# Altium PCB Thunderscope_Rev5.PCBDOC (part 3 of 7) (continued)
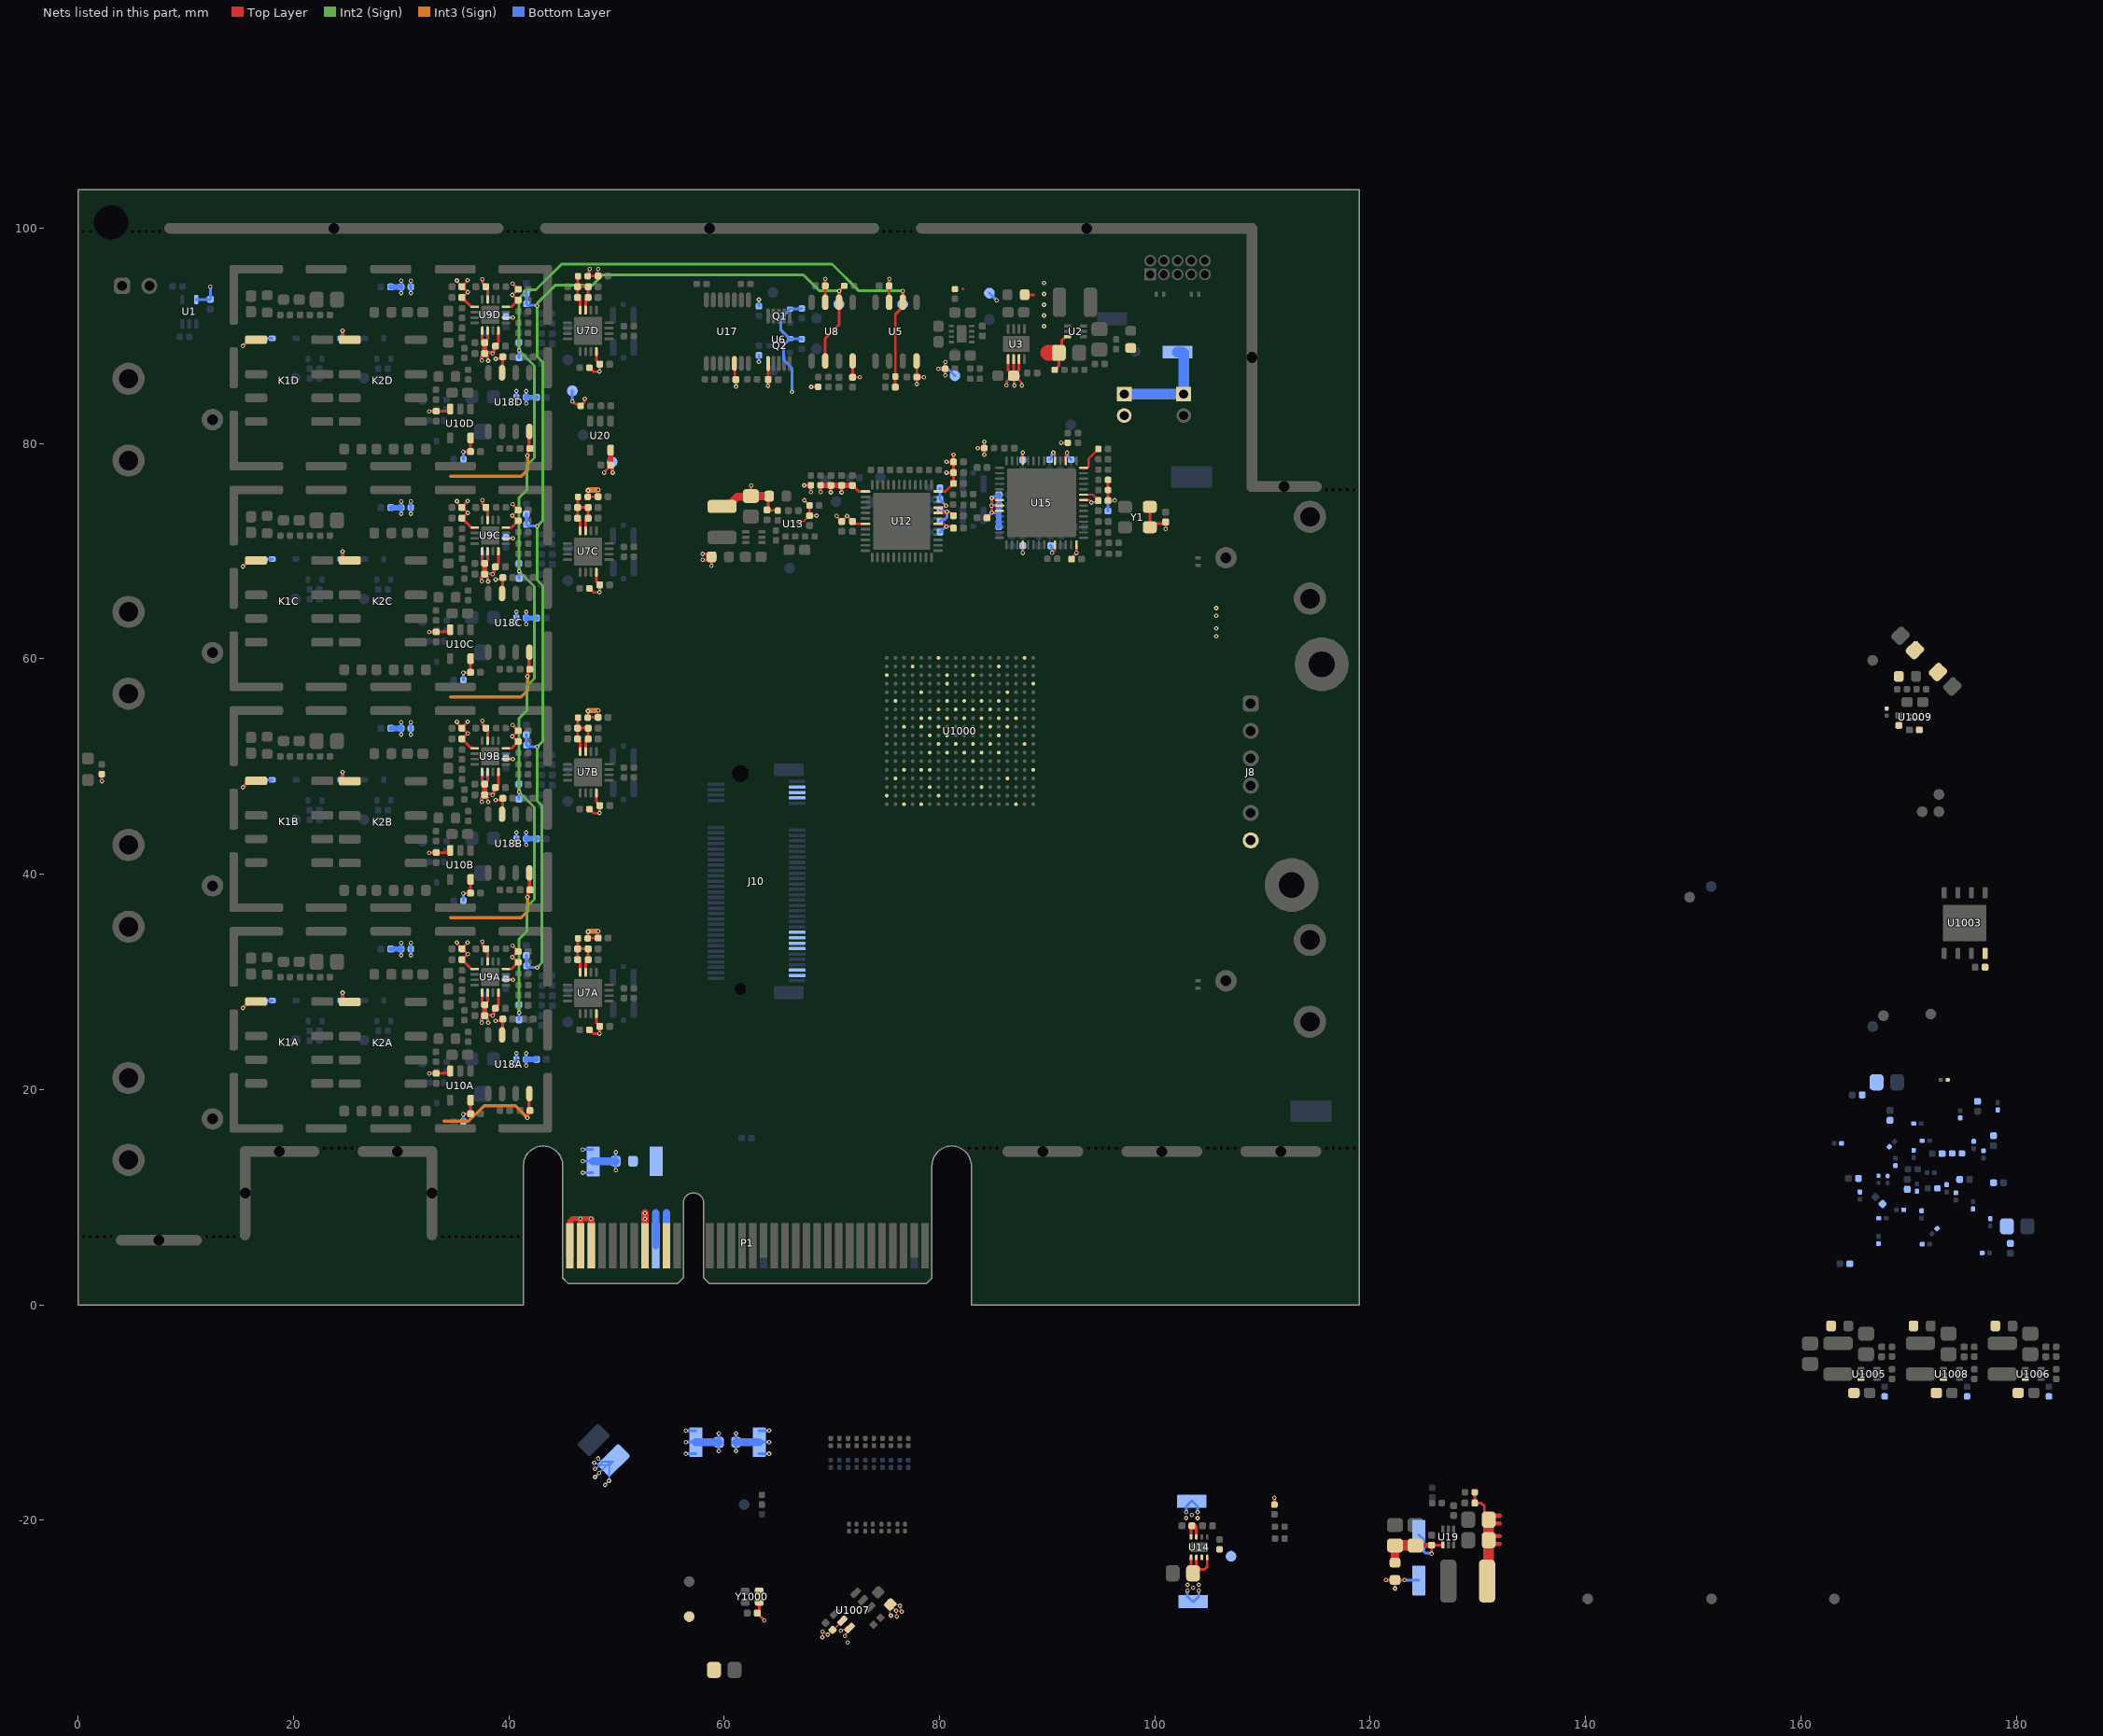
[diagram p7: the nets of this part, all layers, seen from the top]
## Nets (pads, with @x,y where several pads share a name; then routed paths per layer and width w, separated by ;. In a path a pad name is that pad's centre, name@x,y a point inside that pad or via, vN(x,y) a via of type N, cw(c..) or ccw(c..) an arc to the next point about the centre after c; other vN are vias at no path point) (continued)
  Bottom Layer w0.254: U1.5@10.975,93.375 10.992,93.392 12.257,93.392 C1.1@12.275,93.41 v1(12.275,94.575) ; v1(15.3,27.575) 16,28.275 D2A.1@18.025,28.275 ; v1(15.3,48.075) 16,48.775 D2B.1@18.025,48.775 ; v1(15.3,68.575) 16,69.275 D2C.1@18.025,69.275 ; v1(15.3,89.075) 16,89.775 D2D.1@18.025,89.775 ; 16.225,28.275 D2A.1@17.95,28.275 ; 16.225,48.775 D2B.1@17.95,48.775 ; D2A.1@17.827,28.152 D2A.1@17.95,28.275 ; D2B.1@17.827,48.652 D2B.1@17.95,48.775 ; D2C.1@17.827,69.152 17.95,69.275 D2C.1@18.025,69.275 ; D2A.1@18.07,28.275 D2A.1@18.025,28.275 ; D2B.1@18.07,48.775 D2B.1@18.025,48.775 ; D2C.1@18.07,69.275 D2C.1@18.025,69.275 ; D3A.1@24.4,28.275 24.427,28.275 24.55,28.398 v1(24.55,29) ; D3B.1@24.445,48.775 D3B.1@24.521,48.851 ; D3C.1@24.445,69.275 D3C.1@24.521,69.351 ; D3B.1@24.55,48.898 v1(24.55,49.5) ; D3C.1@24.55,69.398 v1(24.55,70) ; D3D.1@24.55,89.898 v1(24.55,90.5) ; v1(58.825,68.645) TP28.1@58.825,69.475 ; v1(66.3,84.8) 66.3,87 65.5,87.8 65.5,89.125 65.952,89.577 65.952,89.642 Q2.2@66.06,89.75 ; R20.2@67.2,92.55 67.175,92.525 66.15,92.525 Q1.2@66.125,92.5 66.06,92.5 65.952,92.392 65.952,92.327 65.275,91.65 65.275,90.535 Q2.2@66.06,89.75 ; R21.2@67.225,89.725 R21.2@67.2,89.7 67.175,89.725 66.15,89.725 Q2.2@66.125,89.75 Q2.2@66.06,89.75 ; v1(67.435,74.74) R44.2@67.925,74.25 ; C58.2@80.035,75.875 C57.2@80.035,74.825 80.035,74.818 80.607,74.246 v1(80.607,74.24) ; R111.1@95.625,73.725 R93.1@95.625,74.675 95.652,74.702 96.249,74.702 v1(96.276,74.729) ; v1(102.91,-19.27) 102.91,-18.723 103.383,-18.25 TP47.1@103.425,-18.25 103.49,-18.25 103.963,-18.723 v1(103.963,-19.27) ; D2A.1@17.95,28.275 D2A.1@18.025,28.275 ; D2B.1@17.95,48.775 D2B.1@18.025,48.775
  other v1: 102.912,-19.803 103.958,-19.803 103.435,-19.525 68.575,73.3
+3V3_IN: C91.2 C1072.2 C1076.2 C1078.2 C1082.2 C1085.2 R87.2 R95.2 R1047.2 R1052.2 R1057.2 TP32.1 TP41.1 TP46.1 TP1011.1 U14.1 U14.2 U14.4 U1005.3 U1006.3 U1007.5 U1007.6 U1008.3 U1009.C2 | length 26.1
  Top Layer w0.127: v1(69.112,-30.884) 69.118,-30.877 69.118,-30.406 69.124,-30.4 v1(69.124,-30.346) ; v1@69.151,-30.373 69.178,-30.4 69.306,-30.4 69.539,-30.633 v1(69.615,-30.633) C1076.2@70.067,-30.183 C1076.2@70.067,-30.183 ; C1076.2@70.094,-30.213 U1007.5@71.166,-29.14 ; v1(70.837,-30.259) 70.913,-30.259 70.984,-30.187 71.463,-30.187 U1007.6@71.651,-29.999 71.651,-30.226 71.219,-30.658 v1(71.219,-30.733)
  Top Layer w0.254: U14.1@103.35,-23.45 103.352,-23.452 103.352,-24.727 C91.2@103.55,-24.925 C91.2@103.848,-24.627 ; U14.2@103.85,-23.45 103.848,-23.452 C91.2@103.848,-24.627 ; U14.4@104.85,-23.45 104.85,-24.325 104.609,-24.566 103.909,-24.566 C91.2@103.848,-24.627
  Bottom Layer w0.254: v1(46.87,12.275) TP41.1@47.8,12.275 ; v1(46.87,13.35) TP41.1@47.8,13.35 ; v1(46.87,14.425) TP41.1@47.8,14.425 ; v1(49.925,12.52) R87.2@49.925,13.35 v1(49.925,14.18) ; v1(61.1,-13.58) R95.2@61.1,-12.75 v1(61.1,-11.92) ; TP46.1@63.225,-13.825 v1(64.18,-13.825) ; TP46.1@63.225,-12.75 v1(64.18,-12.75) ; TP46.1@63.225,-11.675 v1(64.18,-11.675) ; v1(103.022,-26.53) 103.022,-27.077 103.495,-27.55 TP32.1@103.55,-27.55 103.602,-27.55 104.075,-27.077 v1(104.075,-26.53)
  Bottom Layer w0.75: TP41.1@47.8,13.35 R87.2@49.925,13.35 ; R95.2@61.1,-12.75 63.225,-12.75 TP46.1@63.25,-12.75
  other v1: 103.55,-26.275 103.027,-25.997 104.073,-25.997
+3V3_IO: C1000.1 C1029.2 C1030.2 C1031.2 C1032.2 C1033.2 C1034.2 C1035.2 R1051.2 U1000.L6 U1000.M3 U1000.P7 U1000.R4 U1000.T1 U1000.V5 Y1000.1 Y1000.4 | length 7
  Top Layer w0.127: R1051.2@75.392,-27.887 75.392,-28.688 75.487,-28.783 v1(75.487,-28.859) ; v1(76.034,-28.937) 75.998,-28.901 75.998,-28.445 v1(75.962,-28.409) 75.428,-27.874 R1051.2@75.428,-27.824 75.454,-27.851 76.147,-27.851 76.249,-27.953 v1(76.325,-27.953) 76.378,-28.006 76.378,-28.296 76.49,-28.408 v1(76.49,-28.483)
  Top Layer w0.254: C1000.1@63.064,-28.623 63.064,-28.605 63.25,-28.419 Y1000.4@63.25,-27.6 Y1000.1@63.25,-26.6 ; C1000.1@63.071,-28.631 63.071,-28.648 63.729,-29.306 v1(63.729,-29.323)
  other v1: 71.487,-31.359
+3V3_M2: J10.3 J10.5 J10.13 J10.15 J10.17 J10.19 J10.69 J10.71 J10.73 R95.1 TP45.1 | length 6.6
  Bottom Layer w0.254: v1(56.445,-13.825) TP45.1@57.375,-13.825 ; v1(56.445,-12.75) TP45.1@57.375,-12.75 ; v1(56.445,-11.675) TP45.1@57.375,-11.675 ; v1(59.5,-13.58) R95.1@59.5,-12.75 v1(59.5,-11.92)
  Bottom Layer w0.75: TP45.1@57.375,-12.75 R95.1@59.5,-12.75
+3V3_PCIe: P1.A9 P1.A10 P1.B8 R87.1 TP40.1 | length 9.1
  Top Layer w0.7: P1.B8@52.65,5.5 v1(52.65,8) v1(52.65,8.533)
  Bottom Layer w0.7: P1.A9@53.65,5.5 53.65,8.525 ; P1.A10@54.65,5.5 54.65,8.525
+3V3_PGA: C36A.2 C36B.2 C36C.2 C36D.2 C126.2 R51A.2 R51B.2 R51C.2 R51D.2 TP53.1 U7A.12 U7B.12 U7C.12 U7D.12 U20.5 | length 16.5
  Top Layer w0.254: R51A.2@47.5,25.55 47.512,25.55 47.887,25.175 48.4,25.175 v1(48.425,25.2) 48.432,25.207 48.432,25.868 C36A.2@48.44,25.875 48.44,25.893 48.125,26.208 U7A.12@48.125,27.05 ; R51B.2@47.5,46.05 47.512,46.05 47.887,45.675 48.4,45.675 v1(48.425,45.7) 48.432,45.707 48.432,46.368 C36B.2@48.44,46.375 48.44,46.393 48.125,46.708 U7B.12@48.125,47.55 ; R51C.2@47.5,66.55 47.512,66.55 47.887,66.175 48.4,66.175 v1(48.425,66.2) 48.432,66.208 48.432,66.868 C36C.2@48.44,66.875 48.44,66.893 48.125,67.208 U7C.12@48.125,68.05 ; R51D.2@47.5,87.05 47.512,87.05 47.887,86.675 48.4,86.675 v1(48.425,86.7) 48.432,86.707 48.432,87.368 C36D.2@48.44,87.375 48.44,87.393 48.125,87.708 U7D.12@48.125,88.55 ; v1(48.856,77.3) 48.856,77.341 49.287,77.772 49.287,77.827 C126.2@49.46,78 49.621,77.839 49.621,77.329 v1(49.65,77.3)
  Top Layer w0.5: U20.5@49.45,79.4 49.455,79.395 49.455,78.005 C126.2@49.46,78
  Bottom Layer w0.254: TP53.1@49.6,78.3 49.625,78.275 49.625,77.325 v1(49.65,77.3)
+5V: C7.2 C12.1 C13.2 C17.1 C107.2 C111A.2 C111B.2 C111C.2 C111D.2 C132A.2 C132B.2 C132C.2 C132D.2 FB8A.2 FB8B.2 FB8C.2 FB8D.2 FB9A.1 FB9B.1 FB9C.1 FB9D.1 R22.2 R23.2 R24.2 R117.1 TP10.1 TP54.1 U3.1 U3.2 U3.3 U5.7 U6.1 U8.7 U17.12 | length 42.6
  Top Layer w0.254: v1(45.9,83.9) 45.941,83.9 46.182,83.659 46.516,83.659 R117.1@46.675,83.5 46.675,83.512 47.021,83.858 47.021,84.121 v1(47.05,84.15) ; FB8C.2@47.325,75.05 FB8C.2@47.337,75.062 ; v1@47.337,34.638 47.337,34.062 C132A.2@48.277,34.062 ; v1@47.337,55.138 47.337,54.562 C132B.2@48.277,54.562 ; v1(47.35,75.65) 47.337,75.638 FB8C.2@47.337,75.062 ; FB8D.2@47.45,95.55 FB8D.2@47.325,95.55 FB8D.2@47.337,95.562 ; v1(47.5,96.2) 47.5,96.159 47.461,96.119 47.461,95.686 FB8D.2@47.337,95.562 ; v1(48.275,96.2) 48.282,96.193 48.282,95.582 C132D.2@48.29,95.575 48.277,95.562 FB8D.2@47.337,95.562 ; C132C.2@48.277,75.062 FB8C.2@47.337,75.062 ; C132A.2@48.282,34.082 v1@48.282,34.693 ; C132B.2@48.282,54.582 v1@48.282,55.193 ; C132C.2@48.282,75.082 v1@48.282,75.693 ; U17.12@60.95,87.45 60.988,87.412 60.988,86.048 C107.2@61.085,85.95 C107.2@61.091,85.944 ; v1(61.096,85.304) 61.091,85.309 61.091,85.933 C107.2@61.096,85.939 ; v1(64.075,85.35) 64.082,85.357 64.082,85.992 64.09,86 64.083,86.007 64.083,87.443 U6.1@64.075,87.45 ; v1(68.075,85.275) R24.2@68.725,85.275 ; U8.7@69.387,93.127 C17.1@69.387,94.648 ; C17.1@69.39,94.655 v1@69.39,95.295 ; U5.7@75.32,93.125 75.318,93.127 75.318,94.648 C12.1@75.315,94.65 75.32,94.655 75.32,95.295 v1(75.325,95.3) ; v1(86.225,85.425) 86.225,85.775 86.402,85.952 86.417,85.952 86.765,86.3 C7.2@86.875,86.3 ; U3.1@86.375,87.855 86.375,86.81 C7.2@86.875,86.31 ; U3.2@86.875,87.855 C7.2@86.875,86.31 ; v1(86.95,85.4) 86.95,86.075 86.875,86.15 C7.2@86.875,86.3 ; U3.3@87.375,87.855 87.375,86.81 C7.2@86.875,86.31 ; v1(87.65,85.4) 87.621,85.429 87.621,85.654 86.975,86.3 C7.2@86.875,86.3 ; C7.2@86.875,86.3 C7.2@86.875,86.31
  Int3 (Sign) w0.5: v1(47.35,75.65) 47.4,75.7 v1(48.275,75.7) ; v1@47.4,34.7 v1(48.275,34.7) ; v1@47.4,55.2 v1(48.275,55.2)
  Bottom Layer w0.254: v1(41.6,22.225) FB9A.1@41.6,22.8 ; FB9A.1@41.6,22.812 v1(41.6,23.375) ; v1(41.6,42.725) FB9B.1@41.6,43.3 ; FB9B.1@41.6,43.312 v1(41.6,43.875) ; v1(41.6,63.225) FB9C.1@41.6,63.8 ; FB9C.1@41.6,63.812 v1(41.6,64.375) ; v1(41.6,83.725) FB9D.1@41.6,84.3 ; FB9D.1@41.6,84.312 v1(41.6,84.875) ; v1(45.9,83.9) TP54.1@45.9,84.9 ; v1(63.225,87.575) R23.2@63.225,88.2 ; R22.2@63.225,92.75 v1(63.225,93.375) ; v1(86.95,85.4) TP10.1@86.95,86.3
  Bottom Layer w0.5: FB9A.1@41.6,22.8 C111A.2@42.565,22.8 ; FB9B.1@41.6,43.3 C111B.2@42.565,43.3 ; FB9C.1@41.6,63.8 C111C.2@42.565,63.8 ; FB9D.1@41.6,84.3 C111D.2@42.565,84.3
  other v1: 47.35,34.65 47.35,55.15 69.395,95.3
+5V2: C3.2 C118.2 C122.2 C123.2 L3.2 R7.1 R8.1 R10.2 R113.2 TP13.1 U2.6 | length 18.9
  Top Layer w0.254: R8.1@81.425,94.35 R8.1@81.437,94.363 ; 82.163,94.363 82.175,94.375 ; R7.1@87.905,93.825 88.755,93.825 ; R10.2@90.7,86.85 91.075,87.225 C3.2@91.075,88.425 ; C3.2@91.05,88.45 C3.2@91.075,88.425 ; U2.6@91.885,89.925 91.7,89.925 91.337,89.562 91.337,88.687 C3.2@91.075,88.425 ; R113.2@129.7,-17.4 129.705,-17.405 129.705,-18.395 C118.2@129.71,-18.4 130.3,-18.4 130.599,-18.699 130.599,-19.549 C123.2@131,-19.95 C123.2@131.3,-19.65
  Top Layer w0.406: C122.2@131.375,-22.2 132,-22.2 ; C122.2@131.375,-21.475 132,-21.475 ; C123.2@131.375,-20.3 132,-20.3 ; C123.2@131.375,-19.575 132,-19.575
  Top Layer w0.408: C122.2@131,-21.85 C122.2@131.375,-21.475
  Top Layer w1: L3.2@130.85,-25.65 131,-25.5 C122.2@131,-21.85 C123.2@131,-19.95
  Top Layer w1.5: 90.125,88.425 C3.2@90.8,88.425
  Bottom Layer w0.254: TP13.1@84.625,93.975 v1(85.3,93.3)
  other v1: 105.7,62.1 105.7,62.825 105.7,64 105.7,64.725 89.7,90.9 89.7,91.9 89.7,92.9 89.7,93.9 89.7,94.9
+12V: C119.2 C120.2 C121.1 R116.2 TP51.1 U19.1 | length 9.4
  Top Layer w0.254: v1(125.7,-23.1) C121.1@125.7,-22.31 125.71,-22.3 126.74,-22.3 U19.1@126.75,-22.29
  Top Layer w0.5: C120.2@124.2,-22.35 124.22,-22.33 125.68,-22.33 C121.1@125.7,-22.31
  Top Layer w0.75: R116.2@122.3,-23.95 C119.2@122.3,-22.35
  Top Layer w1: C119.2@122.3,-22.35 C120.2@124.2,-22.35
  Bottom Layer w0.254: TP51.1@124.5,-21.35 124.973,-21.823 124.973,-22.912 125.122,-23.061 125.661,-23.061 v1(125.7,-23.1)
+12V_PCIe: P1.A2 P1.A3 P1.B1 P1.B2 P1.B3 R116.1 TP50.1 | length 18.2
  Top Layer w0.254: v1(121.45,-25.55) R116.1@122.3,-25.55 ; v1(122.3,-26.35) R116.1@122.3,-25.55 ; v1(123.2,-25.55) R116.1@122.3,-25.55
  Top Layer w0.5: P1.B1@45.65,5.5 45.65,7.707 45.943,8 v1(46.65,8) v1(47.65,8)
  Top Layer w0.508: P1.B2@46.65,5.5 v1(46.65,8) ; P1.B3@47.65,5.5 v1(47.65,8)
  Bottom Layer w0.254: v1(123.2,-25.55) 124.45,-25.55 TP50.1@124.5,-25.6
  Bottom Layer w0.508: P1.A2@46.65,5.5 v1(46.65,8) ; P1.A3@47.65,5.5 v1(47.65,8)
+VBIAS: C130A.1 C130B.1 C130C.1 C130D.1 FB6A.1 FB6B.1 FB6C.1 FB6D.1 R16.1 TP17.1 U8.2 U8.6 | length 109
  Top Layer w0.254: U8.2@69.39,87.675 69.39,89.77 70.66,91.04 U8.6@70.66,93.125 70.665,93.13 70.665,94.175 v1(70.67,94.18) 70.675,94.18 71.145,94.65 R16.1@71.15,94.65
  Int2 (Sign) w0.254: v1(42.625,31.325) 43.075,31.775 43.075,46.375 42.625,46.825 v1(42.625,51.825) 43.15,52.35 43.15,66.8 42.625,67.325 v1(42.625,72.325) 43.15,72.85 43.15,87.55 42.625,88.075 v1(42.625,92.8) 42.654,92.829 42.654,93.054 44.3,94.7 47.75,94.7 48.725,95.675 67.35,95.675 68.845,94.18 v1(70.67,94.18)
  Bottom Layer w0.254: FB6A.1@41.625,31.475 C130A.1@41.625,32.465 ; FB6B.1@41.625,51.975 C130B.1@41.625,52.965 ; FB6C.1@41.625,72.475 C130C.1@41.625,73.465 ; C130D.1@41.625,93.965 FB6D.1@41.625,92.975 41.76,92.84 42.544,92.84 42.584,92.8 v1(42.625,92.8) ; FB6A.1@41.76,31.34 v1@42.544,31.34 ; FB6B.1@41.76,51.84 v1@42.544,51.84 ; FB6C.1@41.76,72.34 v1@42.544,72.34 ; TP17.1@70.65,92.95 70.66,92.96 70.66,94.17 v1(70.67,94.18)
+VFFEA: C37A.2 C38A.1 C39A.1 C63A.1 C64A.2 C78A.2 C101A.2 FB9A.2 R125A.2 U9A.1 U9A.12 U9A.15 U10A.5 U18A.7 | length 16.2
  Top Layer w0.25: v1(35.175,33.654) 35.215,33.615 35.215,33.514 35.635,33.094 C38A.1@35.635,33.075 C38A.1@35.654,33.075 ; C63A.1@35.635,32.075 36.508,31.202 36.548,31.202 36.55,31.2 U9A.1@36.825,31.2 ; C63A.1@35.654,32.075 36.151,32.572 v1(36.185,32.572) ; v1@36.125,32.575 36.125,32.604 C38A.1@35.654,33.075 ; v1(36.175,33.675) 36.175,33.634 35.654,33.113 C38A.1@35.654,33.075 ; v1(37.525,33.75) 37.555,33.72 37.555,33.399 38.025,32.929 U9A.15@38.025,31.9 ; v1(38.775,26.375) 38.805,26.405 39.395,26.405 C37A.2@39.431,26.441 ; U9A.12@39.725,31.2 40.24,31.2 C78A.2@40.865,31.825 40.846,31.825 40.403,32.268 40.342,32.268 v1(40.303,32.307) 40.329,32.307 C39A.1@40.846,32.825 ; v1(40.35,33.375) 40.35,33.358 40.846,32.861 C39A.1@40.846,32.825
  Top Layer w0.254: v1(35.775,17.725) 35.788,17.738 36.427,17.738 36.445,17.755 U10A.5@36.445,19.02 ; U10A.5@36.445,19.145 U10A.5@36.45,19.15 ; U18A.7@39.365,25.075 39.431,25.141 C37A.2@39.431,26.441 ; U18A.7@39.415,25.075 U18A.7@39.453,25.113
  Bottom Layer w0.254: R125A.2@35.775,17.05 v1(35.775,17.725) ; v1(40.7,22.225) FB9A.2@40.7,22.8 ; FB9A.2@40.7,22.812 v1(40.7,23.375)
+VFFEB: C37B.2 C38B.1 C39B.1 C63B.1 C64B.2 C78B.2 C101B.2 FB9B.2 R125B.2 U9B.1 U9B.12 U9B.15 U10B.5 U18B.7 | length 16.2
  Top Layer w0.25: v1(35.175,54.154) 35.215,54.115 35.215,54.014 35.635,53.594 C38B.1@35.635,53.575 C38B.1@35.654,53.575 ; C63B.1@35.635,52.575 36.508,51.702 36.548,51.702 36.55,51.7 U9B.1@36.825,51.7 ; C63B.1@35.654,52.575 36.151,53.072 v1(36.185,53.072) ; v1@36.125,53.075 36.125,53.104 C38B.1@35.654,53.575 ; v1(36.175,54.175) 36.175,54.134 35.654,53.613 C38B.1@35.654,53.575 ; v1(37.525,54.25) 37.555,54.22 37.555,53.899 38.025,53.429 U9B.15@38.025,52.4 ; v1(38.775,46.875) 38.805,46.905 39.395,46.905 C37B.2@39.431,46.941 ; U9B.12@39.725,51.7 40.24,51.7 C78B.2@40.865,52.325 40.846,52.325 40.403,52.768 40.342,52.768 v1(40.303,52.807) 40.329,52.807 C39B.1@40.846,53.325 ; v1(40.35,53.875) 40.35,53.858 40.846,53.361 C39B.1@40.846,53.325
  Top Layer w0.254: v1(35.775,38.225) 35.788,38.238 36.427,38.238 36.445,38.255 U10B.5@36.445,39.52 ; U10B.5@36.445,39.645 U10B.5@36.45,39.65 ; U18B.7@39.365,45.575 39.431,45.641 C37B.2@39.431,46.941 ; U18B.7@39.415,45.575 U18B.7@39.453,45.613
  Bottom Layer w0.254: R125B.2@35.775,37.55 v1(35.775,38.225) ; v1(40.7,42.725) FB9B.2@40.7,43.3 ; FB9B.2@40.7,43.312 v1(40.7,43.875)
+VFFEC: C37C.2 C38C.1 C39C.1 C63C.1 C64C.2 C78C.2 C101C.2 FB9C.2 R125C.2 U9C.1 U9C.12 U9C.15 U10C.5 U18C.7 | length 16.2
  Top Layer w0.25: v1(35.175,74.654) 35.215,74.615 35.215,74.514 35.635,74.094 C38C.1@35.635,74.075 C38C.1@35.654,74.075 ; C63C.1@35.635,73.075 36.508,72.202 36.548,72.202 36.55,72.2 U9C.1@36.825,72.2 ; C63C.1@35.654,73.075 36.151,73.572 v1(36.185,73.572) ; v1@36.125,73.575 36.125,73.604 C38C.1@35.654,74.075 ; v1(36.175,74.675) 36.175,74.634 35.654,74.113 C38C.1@35.654,74.075 ; v1(37.525,74.75) 37.555,74.72 37.555,74.399 38.025,73.929 U9C.15@38.025,72.9 ; v1(38.775,67.375) 38.805,67.405 39.395,67.405 C37C.2@39.431,67.441 ; U9C.12@39.725,72.2 40.24,72.2 C78C.2@40.865,72.825 40.846,72.825 40.403,73.268 40.342,73.268 v1(40.303,73.307) 40.329,73.307 C39C.1@40.846,73.825 ; v1(40.35,74.375) 40.35,74.358 40.846,73.861 C39C.1@40.846,73.825
  Top Layer w0.254: v1(35.775,58.725) 35.788,58.738 36.427,58.738 36.445,58.755 U10C.5@36.445,60.02 ; U10C.5@36.445,60.145 U10C.5@36.45,60.15 ; U18C.7@39.365,66.075 39.431,66.141 C37C.2@39.431,67.441 ; U18C.7@39.415,66.075 U18C.7@39.453,66.113
  Bottom Layer w0.254: R125C.2@35.775,58.05 v1(35.775,58.725) ; v1(40.7,63.225) FB9C.2@40.7,63.8 ; FB9C.2@40.7,63.812 v1(40.7,64.375)
+VFFED: C37D.2 C38D.1 C39D.1 C63D.1 C64D.2 C78D.2 C101D.2 FB9D.2 R125D.2 U9D.1 U9D.12 U9D.15 U10D.5 U18D.7 | length 16.2
  Top Layer w0.25: v1(35.175,95.154) 35.215,95.115 35.215,95.014 35.635,94.594 C38D.1@35.635,94.575 C38D.1@35.654,94.575 ; C63D.1@35.635,93.575 36.508,92.702 36.548,92.702 36.55,92.7 U9D.1@36.825,92.7 ; C63D.1@35.654,93.575 36.151,94.072 v1(36.185,94.072) ; v1@36.125,94.075 36.125,94.104 C38D.1@35.654,94.575 ; v1(36.175,95.175) 36.175,95.134 35.654,94.613 C38D.1@35.654,94.575 ; v1(37.525,95.25) 37.555,95.22 37.555,94.899 38.025,94.429 U9D.15@38.025,93.4 ; v1(38.775,87.875) 38.805,87.905 39.395,87.905 C37D.2@39.431,87.941 ; U9D.12@39.725,92.7 40.24,92.7 C78D.2@40.865,93.325 40.846,93.325 40.403,93.768 40.342,93.768 v1(40.303,93.807) 40.329,93.807 C39D.1@40.846,94.325 ; v1(40.35,94.875) 40.35,94.858 40.846,94.361 C39D.1@40.846,94.325
  Top Layer w0.254: v1(35.775,79.225) 35.788,79.238 36.427,79.238 36.445,79.255 U10D.5@36.445,80.52 ; U10D.5@36.445,80.645 U10D.5@36.45,80.65 ; U18D.7@39.365,86.575 39.431,86.641 C37D.2@39.431,87.941 ; U18D.7@39.415,86.575 U18D.7@39.453,86.613
  Bottom Layer w0.254: R125D.2@35.775,78.55 v1(35.775,79.225) ; v1(40.7,83.725) FB9D.2@40.7,84.3 ; FB9D.2@40.7,84.312 v1(40.7,84.875)
+VPGAA: C32A.2 C33A.2 C34A.2 C35A.2 FB8A.1 U7A.3 U7A.4 | length 6.6
  Top Layer w0.25: C34A.2@46.385,33.094 C32A.2@46.385,32.075 46.385,32.056 46.625,31.816 U7A.4@46.625,30.9 ; FB8A.1@46.425,34.05 46.405,34.07 46.405,33.095 C34A.2@46.385,33.075 C35A.2@47.365,33.075 ; U7A.3@47.125,30.9 47.125,31.816 47.365,32.056 C33A.2@47.365,32.075 C35A.2@47.365,33.075 ; C35A.2@47.345,33.095 C35A.2@47.365,33.075
+VPGAB: C32B.2 C33B.2 C34B.2 C35B.2 FB8B.1 U7B.3 U7B.4 | length 6.6
  Top Layer w0.25: C34B.2@46.385,53.594 C32B.2@46.385,52.575 46.385,52.556 46.625,52.316 U7B.4@46.625,51.4 ; FB8B.1@46.405,54.57 FB8B.1@46.425,54.55 46.405,54.53 46.405,53.595 C34B.2@46.385,53.575 C35B.2@47.365,53.575 ; U7B.3@47.125,51.4 47.125,52.316 47.365,52.556 C33B.2@47.365,52.575 C35B.2@47.365,53.575 ; C35B.2@47.345,53.595 C35B.2@47.365,53.575
+VPGAC: C32C.2 C33C.2 C34C.2 C35C.2 FB8C.1 U7C.3 U7C.4 | length 6.6
  Top Layer w0.25: C34C.2@46.385,74.094 C32C.2@46.385,73.075 46.385,73.056 46.625,72.816 U7C.4@46.625,71.9 ; FB8C.1@46.405,75.07 FB8C.1@46.425,75.05 46.405,75.03 46.405,74.095 C34C.2@46.385,74.075 C35C.2@47.365,74.075 ; U7C.3@47.125,71.9 47.125,72.816 47.365,73.056 C33C.2@47.365,73.075 C35C.2@47.365,74.075 ; C35C.2@47.345,74.095 C35C.2@47.365,74.075
+VPGAD: C32D.2 C33D.2 C34D.2 C35D.2 FB8D.1 U7D.3 U7D.4 | length 6.6
  Top Layer w0.25: C34D.2@46.385,94.594 C32D.2@46.385,93.575 46.385,93.556 46.625,93.316 U7D.4@46.625,92.4 ; FB8D.1@46.405,95.57 FB8D.1@46.425,95.55 46.405,95.53 46.405,94.595 C34D.2@46.385,94.575 C35D.2@47.365,94.575 ; U7D.3@47.125,92.4 47.125,93.316 47.365,93.556 C33D.2@47.365,93.575 C35D.2@47.365,94.575 ; C35D.2@47.345,94.595 C35D.2@47.365,94.575
+VUSB: J12.1 J12.2 J13.1 R3.2 TP18.1 | length 9.9
  Bottom Layer w1: J12.1@97.15,84.6 J13.1@102.675,84.6 102.675,88.4 102.575,88.5 TP18.1@102.1,88.5
-5V: C14.2 C18.2 C133A.1 C133B.1 C133C.1 C133D.1 FB10A.1 FB10B.1 FB10C.1 FB10D.1 R9.2 TP15.1 U5.4 U8.4 | length 17.1
  Top Layer w0.25: U5.4@77.86,87.675 77.895,87.64 77.895,85.53 v1(77.9,85.525) ; C14.2@77.903,86.163 78.528,86.163 v1(78.54,86.15) ; v1(79.895,86.95) R9.2@80.525,86.95 ; v1(80.525,86.32) R9.2@80.525,86.95 ; v1(80.525,87.58) R9.2@80.525,86.95
  Top Layer w0.254: U8.4@71.93,87.675 71.927,87.672 71.927,86.162 C18.2@71.925,86.16 71.93,86.155 72.595,86.155 v1(72.6,86.15)
  Bottom Layer w0.25: v1(79.895,86.95) 80.775,86.95 TP15.1@81.425,86.3
  Bottom Layer w0.254: v1(30,32.475) FB10A.1@30,33.038 ; FB10A.1@30,33.05 v1(30,33.625) ; v1(30,52.975) FB10B.1@30,53.538 ; FB10B.1@30,53.55 v1(30,54.125) ; v1(30,73.475) FB10C.1@30,74.038 ; FB10C.1@30,74.05 v1(30,74.625) ; v1(30,93.975) FB10D.1@30,94.538 ; FB10D.1@30,94.55 v1(30,95.125)
  Bottom Layer w0.5: C133A.1@29.035,33.05 FB10A.1@30,33.05 ; C133B.1@29.035,53.55 FB10B.1@30,53.55 ; C133C.1@29.035,74.05 FB10C.1@30,74.05 ; C133D.1@29.035,94.55 FB10D.1@30,94.55
-VBIAS: C100.1 C129A.1 C129B.1 C129C.1 C129D.1 FB4A.2 FB4B.2 FB4C.2 FB4D.2 R14.2 TP19.1 U5.6 | length 123.7
  Top Layer w0.254: C100.1@75.885,85.25 75.892,85.258 75.892,86.217 R14.2@75.9,86.225 ; R14.2@75.9,86.486 75.9,92.01 76.59,92.7 U5.6@76.59,93.125 76.595,93.13 76.595,94.175 v1(76.601,94.18)
  Int2 (Sign) w0.254: v1(40.95,27.15) 40.95,33.975 41.675,34.7 41.675,36.978 42.382,37.686 42.382,46.218 v1(40.95,47.65) 40.95,54.475 41.675,55.2 41.675,57.478 42.382,58.186 42.382,66.718 v1(40.95,68.15) 40.95,74.975 41.675,75.7 41.675,77.978 42.382,78.686 42.382,87.218 v1(40.95,88.65) 40.95,93.5 41.728,94.278 42.503,94.278 44.9,96.675 70.025,96.675 72.52,94.18 v1(76.601,94.18)
  Bottom Layer w0.254: C129A.1@40.94,26.475 40.945,26.48 40.945,27.145 v1(40.95,27.15) FB4A.2@40.95,27.9 ; C129B.1@40.94,46.975 40.945,46.98 40.945,47.645 v1(40.95,47.65) FB4B.2@40.95,48.4 ; C129D.1@40.94,87.975 40.945,87.98 40.945,88.645 v1(40.95,88.65) FB4D.2@40.95,89.4 ; FB4C.2@40.95,68.9 FB4C.2@40.95,68.875 v1(40.95,68.15) 40.957,68.143 40.957,67.483 C129C.1@40.965,67.475 ; TP19.1@76.575,92.95 76.588,92.963 76.588,93.992 v1@76.601,94.005
-VFFEA: C102A.2 C108A.2 C109A.1 C110A.1 C124A.1 C127A.2 C128A.2 FB10A.2 R55A.2 U9A.5 U9A.6 U9A.8 U9A.10 U10A.3 U18A.4 | length 27
  Top Layer w0.127: C108A.2@37.76,27.875 C108A.2@37.76,27.927 ; C127A.2@38.765,27.55 C127A.2@38.765,27.602
  Top Layer w0.25: U9A.5@37.525,29 37.525,28.162 37.76,27.927 38.025,28.192 U9A.6@38.025,29 ; C109A.1@37.76,26.875 37.885,27 37.934,26.951 38.369,26.951 38.445,26.875 v1(38.5,26.875) ; C109A.1@37.854,26.763 38.054,26.563 38.054,26.221 v1(38.075,26.2) ; C127A.2@38.765,27.602 39.025,27.862 U9A.8@39.025,29 ; U9A.10@39.725,30.2 v1(40.375,30.2)
  Top Layer w0.254: v1(32.6,21.5) 32.605,21.505 33.245,21.505 C128A.2@33.25,21.51 34.379,21.51 34.55,21.681 U10A.3@34.55,21.725 U10A.3@34.55,21.85
  Top Layer w0.3: v1(37.487,26.212) 37.487,26.596 37.752,26.861 C109A.1@37.752,26.867 ; v1(38.5,26.875) 38.5,26.918 38.623,27.041 38.623,27.408 C127A.2@38.765,27.55 ; v1(41.725,17.375) 41.725,17.404 41.796,17.475 C124A.1@41.796,17.881 ; C124A.1@41.88,18.105 U18A.4@41.88,19.6 ; U18A.4@41.93,19.6 U18A.4@41.955,19.625 ; C124A.1@41.943,18.018 C124A.1@41.965,18.04
  Top Layer w0.5: C109A.1@37.76,26.875 C108A.2@37.76,27.875
  Int3 (Sign) w0.3: 33.975,17.052 36.252,17.052 37.7,18.5 40.6,18.5 v1(41.725,17.375)
  Bottom Layer w0.25: v1(37.487,26.212) 37.471,26.227 37.471,26.567 37.76,26.856 C102A.2@37.76,26.87 ; R55A.2@37.75,27.875 37.755,27.87 C102A.2@37.755,26.88 ; v1(38.075,26.2) 38.045,26.23 38.045,26.585 C102A.2@37.76,26.87 ; v1(38.5,26.875) 38.457,26.875 38.384,26.948 37.833,26.948 C102A.2@37.76,26.875 C102A.2@37.76,26.87 ; C110A.1@39.725,30.285 39.78,30.23 40.345,30.23 v1(40.375,30.2)
  Bottom Layer w0.254: v1(30.9,32.475) FB10A.2@30.9,33.038 ; FB10A.2@30.9,33.05 v1(30.9,33.625)
-VFFEB: C102B.2 C108B.2 C109B.1 C110B.1 C124B.1 C127B.2 C128B.2 FB10B.2 R55B.2 U9B.5 U9B.6 U9B.8 U9B.10 U10B.3 U18B.4 | length 27.1
  Top Layer w0.127: C108B.2@37.76,48.375 C108B.2@37.76,48.427 ; C127B.2@38.765,48.05 C127B.2@38.765,48.102
  Top Layer w0.25: U9B.5@37.525,49.5 37.525,48.662 37.76,48.427 38.025,48.692 U9B.6@38.025,49.5 ; C109B.1@37.76,47.375 37.885,47.5 37.934,47.451 38.369,47.451 38.445,47.375 v1(38.5,47.375) ; C109B.1@37.854,47.263 38.054,47.063 38.054,46.721 v1(38.075,46.7) ; C127B.2@38.765,48.102 39.025,48.362 U9B.8@39.025,49.5 ; U9B.10@39.725,50.7 v1(40.375,50.7)
  Top Layer w0.254: v1(32.6,42) 32.605,42.005 33.245,42.005 C128B.2@33.25,42.01 34.379,42.01 34.55,42.181 U10B.3@34.55,42.225 U10B.3@34.55,42.35
  Top Layer w0.3: v1(37.487,46.712) 37.487,47.096 37.752,47.361 C109B.1@37.752,47.367 ; v1(38.5,47.375) 38.5,47.418 38.623,47.541 38.623,47.908 C127B.2@38.765,48.05 ; v1(41.725,37.875) 41.725,37.904 41.796,37.975 41.796,38.381 41.933,38.517 C124B.1@41.943,38.517 ; U18B.4@41.93,40.1 41.933,40.097 41.933,38.592 C124B.1@41.975,38.55
  Top Layer w0.5: C109B.1@37.76,47.375 C108B.2@37.76,48.375
  Int3 (Sign) w0.3: 34.586,35.949 41.149,35.949 41.725,36.525 v1(41.725,37.875)
  Bottom Layer w0.25: v1(37.487,46.712) 37.471,46.727 37.471,47.067 37.76,47.356 C102B.2@37.76,47.37 ; R55B.2@37.75,48.375 37.755,48.37 C102B.2@37.755,47.38 ; v1(38.075,46.7) 38.045,46.73 38.045,47.085 C102B.2@37.76,47.37 ; v1(38.5,47.375) 38.457,47.375 38.384,47.448 37.833,47.448 C102B.2@37.76,47.375 C102B.2@37.76,47.37 ; C110B.1@39.725,50.785 39.78,50.73 40.345,50.73 v1(40.375,50.7)
  Bottom Layer w0.254: v1(30.9,52.975) FB10B.2@30.9,53.538 ; FB10B.2@30.9,53.55 v1(30.9,54.125)
-VFFEC: C102C.2 C108C.2 C109C.1 C110C.1 C124C.1 C127C.2 C128C.2 FB10C.2 R55C.2 U9C.5 U9C.6 U9C.8 U9C.10 U10C.3 U18C.4 | length 26.9
  Top Layer w0.127: C108C.2@37.76,68.875 C108C.2@37.76,68.927 ; C127C.2@38.765,68.55 C127C.2@38.765,68.602
  Top Layer w0.25: U9C.5@37.525,70 37.525,69.162 37.76,68.927 38.025,69.192 U9C.6@38.025,70 ; C109C.1@37.76,67.875 37.885,68 37.934,67.951 38.369,67.951 38.445,67.875 v1(38.5,67.875) ; C109C.1@37.854,67.763 38.054,67.563 38.054,67.221 v1(38.075,67.2) ; C127C.2@38.765,68.602 39.025,68.862 U9C.8@39.025,70 ; U9C.10@39.725,71.2 v1(40.375,71.2)
  Top Layer w0.254: v1(32.6,62.5) 32.605,62.505 33.245,62.505 C128C.2@33.25,62.51 34.379,62.51 34.55,62.681 U10C.3@34.55,62.725 U10C.3@34.55,62.85
  Top Layer w0.3: v1(37.487,67.212) 37.487,67.596 37.752,67.861 C109C.1@37.752,67.867 ; v1(38.5,67.875) 38.5,67.918 38.623,68.041 38.623,68.408 C127C.2@38.765,68.55 ; v1(41.725,58.375) 41.725,58.404 41.796,58.475 C124C.1@41.796,58.881 ; C124C.1@41.88,59.105 U18C.4@41.88,60.6 ; U18C.4@41.93,60.6 U18C.4@41.955,60.625 ; C124C.1@41.943,59.018 C124C.1@41.965,59.04
  Top Layer w0.5: C109C.1@37.76,67.875 C108C.2@37.76,68.875
  Int3 (Sign) w0.3: 34.586,56.449 41.149,56.449 41.725,57.025 v1(41.725,58.375)
  Bottom Layer w0.25: v1(37.487,67.212) 37.471,67.227 37.471,67.567 37.76,67.856 C102C.2@37.76,67.87 ; R55C.2@37.75,68.875 37.755,68.87 C102C.2@37.755,67.88 ; v1(38.075,67.2) 38.045,67.23 38.045,67.585 C102C.2@37.76,67.87 ; v1(38.5,67.875) 38.457,67.875 38.384,67.948 37.833,67.948 C102C.2@37.76,67.875 C102C.2@37.76,67.87 ; C110C.1@39.725,71.285 39.78,71.23 40.345,71.23 v1(40.375,71.2)
  Bottom Layer w0.254: v1(30.9,73.475) FB10C.2@30.9,74.038 ; FB10C.2@30.9,74.05 v1(30.9,74.625)
-VFFED: C102D.2 C108D.2 C109D.1 C110D.1 C124D.1 C127D.2 C128D.2 FB10D.2 R55D.2 U9D.5 U9D.6 U9D.8 U9D.10 U10D.3 U18D.4 | length 26.9
  Top Layer w0.127: C108D.2@37.76,89.375 C108D.2@37.76,89.427 ; C127D.2@38.765,89.05 C127D.2@38.765,89.102
  Top Layer w0.25: U9D.5@37.525,90.5 37.525,89.662 37.76,89.427 38.025,89.692 U9D.6@38.025,90.5 ; C109D.1@37.76,88.375 37.885,88.5 37.934,88.451 38.369,88.451 38.445,88.375 v1(38.5,88.375) ; C109D.1@37.854,88.263 38.054,88.063 38.054,87.721 v1(38.075,87.7) ; C127D.2@38.765,89.102 39.025,89.362 U9D.8@39.025,90.5 ; U9D.10@39.725,91.7 v1(40.375,91.7)
  Top Layer w0.254: v1(32.6,83) 32.605,83.005 33.245,83.005 C128D.2@33.25,83.01 34.379,83.01 34.55,83.181 U10D.3@34.55,83.225 U10D.3@34.55,83.35
  Top Layer w0.3: v1(37.487,87.712) 37.487,88.096 37.752,88.361 C109D.1@37.752,88.367 ; v1(38.5,88.375) 38.5,88.418 38.623,88.541 38.623,88.908 C127D.2@38.765,89.05 ; v1(41.725,78.875) 41.725,78.904 41.796,78.975 C124D.1@41.796,79.381 ; C124D.1@41.88,79.605 U18D.4@41.88,81.1 ; U18D.4@41.93,81.1 U18D.4@41.955,81.125 ; C124D.1@41.943,79.518 C124D.1@41.975,79.55
  Top Layer w0.5: C109D.1@37.76,88.375 C108D.2@37.76,89.375
  Int3 (Sign) w0.3: 34.586,76.949 41.149,76.949 41.725,77.525 v1(41.725,78.875)
  Bottom Layer w0.25: v1(37.487,87.712) 37.471,87.727 37.471,88.067 37.76,88.356 C102D.2@37.76,88.37 ; R55D.2@37.75,89.375 37.755,89.37 C102D.2@37.755,88.38 ; v1(38.075,87.7) 38.045,87.73 38.045,88.085 C102D.2@37.76,88.37 ; v1(38.5,88.375) 38.457,88.375 38.384,88.448 37.833,88.448 C102D.2@37.76,88.375 C102D.2@37.76,88.37 ; C110D.1@39.725,91.785 39.78,91.73 40.345,91.73 v1(40.375,91.7)
  Bottom Layer w0.254: v1(30.9,93.975) FB10D.2@30.9,94.538 ; FB10D.2@30.9,94.55 v1(30.9,95.125)
AC0: R94.2 U15.23 | length 1.6
  Top Layer w0.2: U15.23@93.375,75.25 94.225,75.25 R94.2@94.75,74.725
AC1: R93.2 U15.22 | length 1.5
  Top Layer w0.2: U15.22@93.375,74.75 93.875,74.75 v1(94.1,74.525)
  Bottom Layer w0.2: v1(94.1,74.525) 94.139,74.564 94.614,74.564 R93.2@94.725,74.675
AC2: R92.2 U15.28 | length 2.5
  Top Layer w0.2: U15.28@93.375,77.75 93.733,77.75 93.85,77.867 93.85,78.6 R92.2@94.75,79.5
ACQ_EN: R38.2 TP33.1 U14.3 U1000.H16